# Altium PCB TB-S5D5_v1.2.PcbDoc (part 1 of 3)
Units mm, origin at the board's own origin, x right, y up, seen from the top; angles counter-clockwise.
Board outline 80 x 125 mm, 6 copper layers (Top L1, Sig L2, GND L3, Sig L4, Sig L5, Bot L6), stack 1.601 mm thick; 125 components, 261 nets, 672 pads, 551 vias.
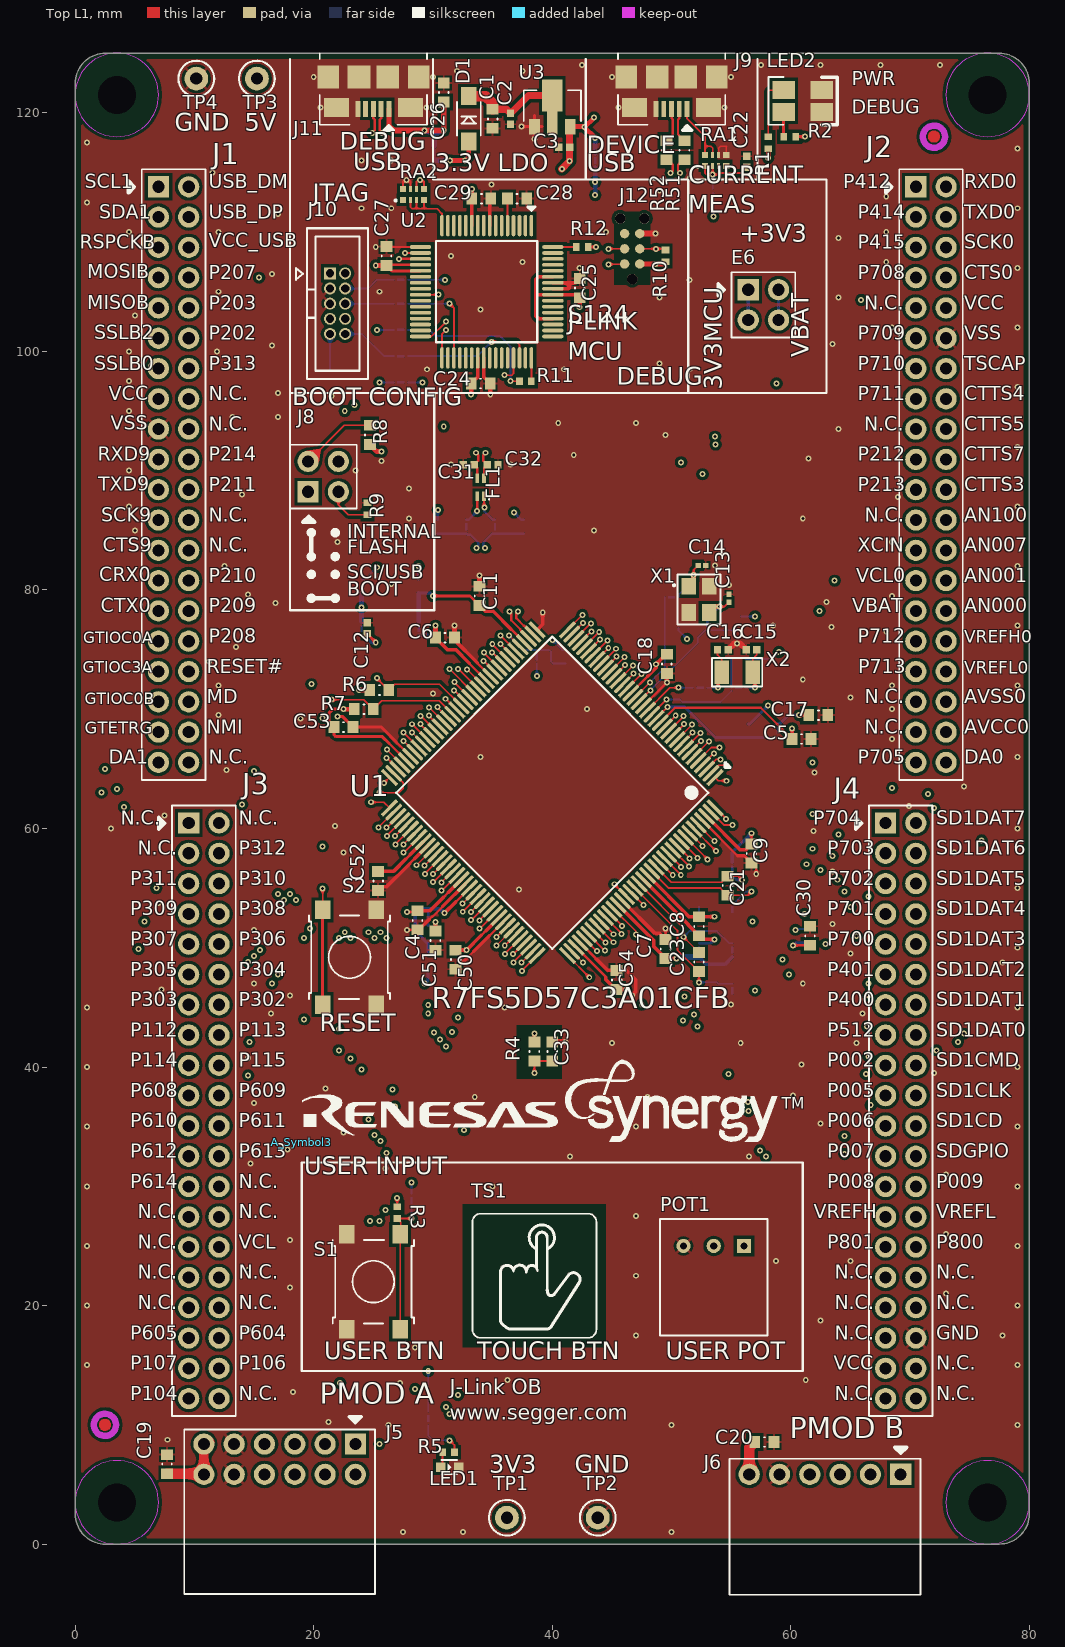
[diagram p0: Top L1 view]
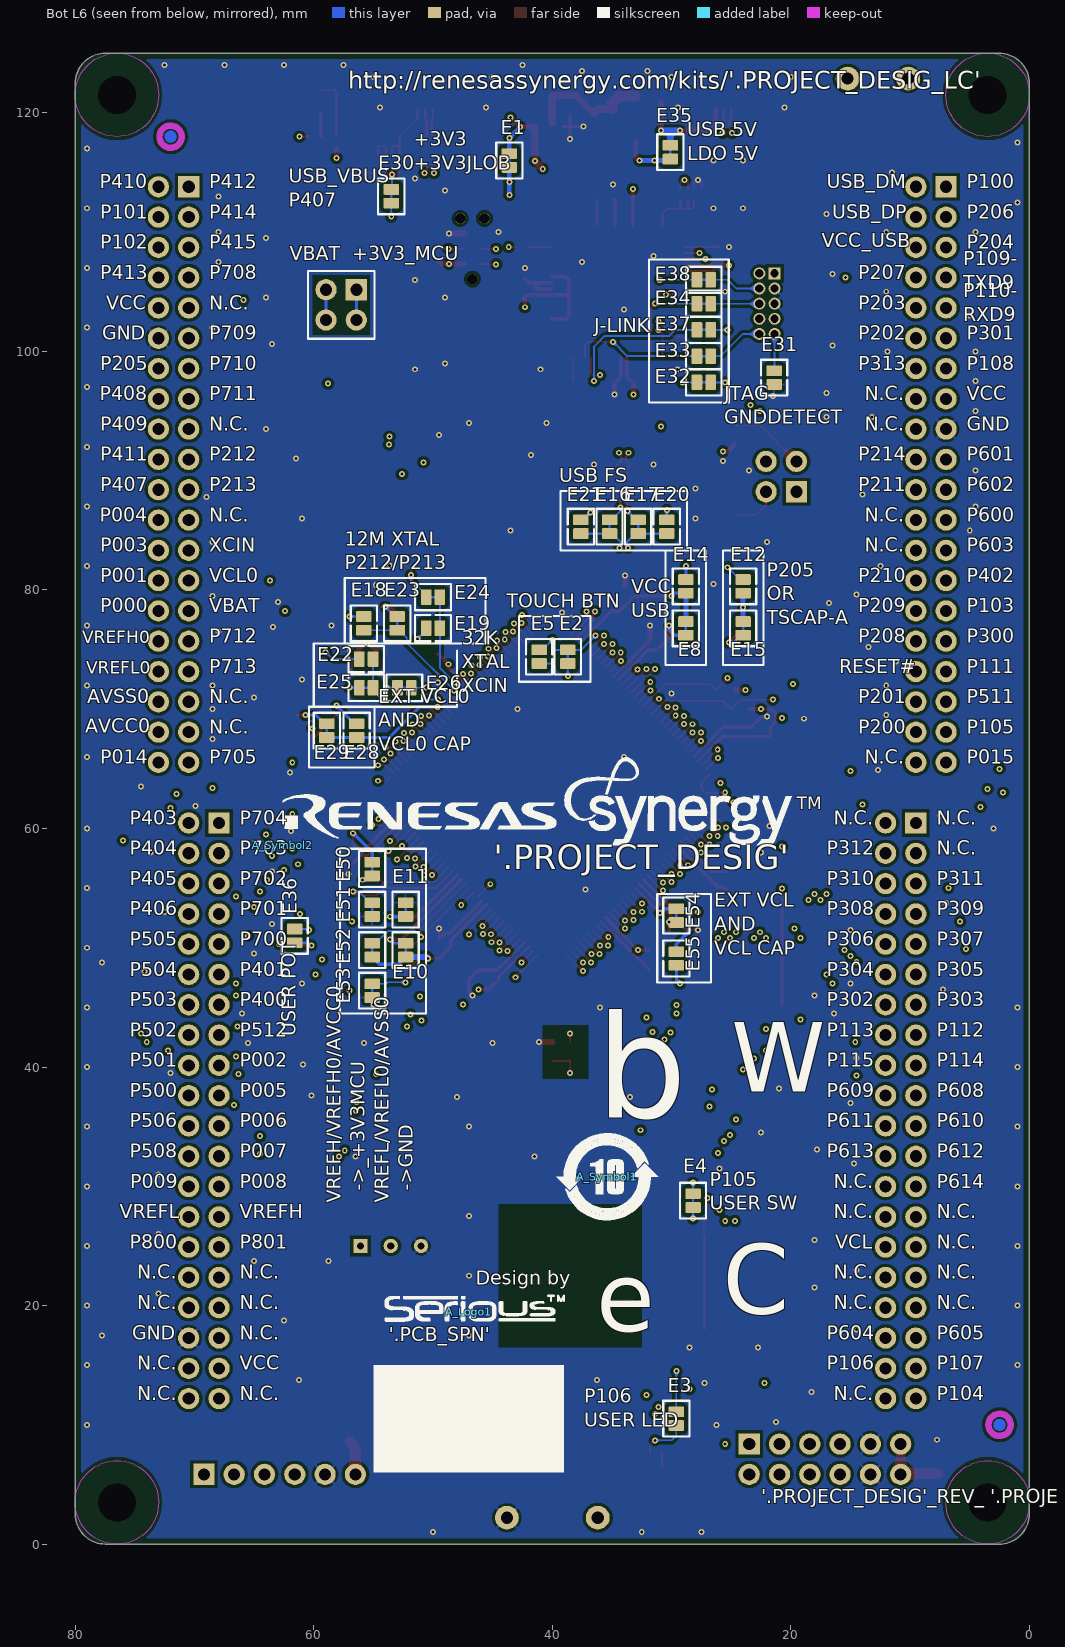
[diagram p1: Bot L6 view, seen from below]
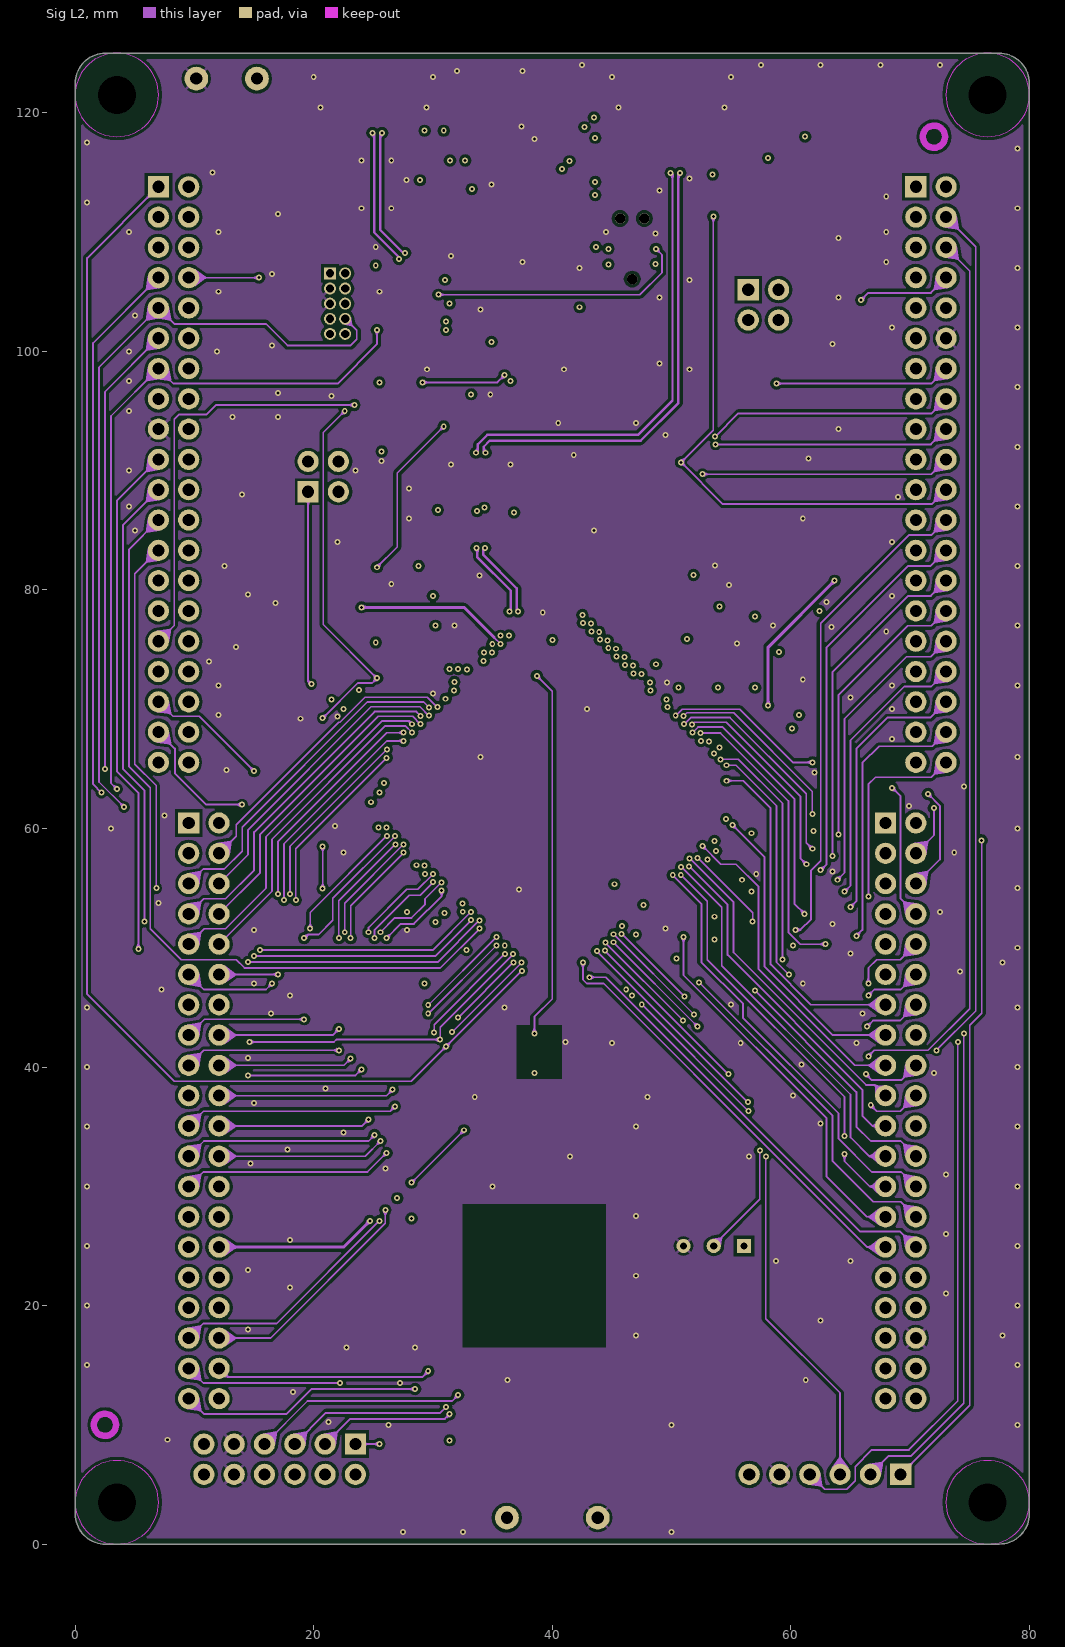
[diagram p2: Sig L2]
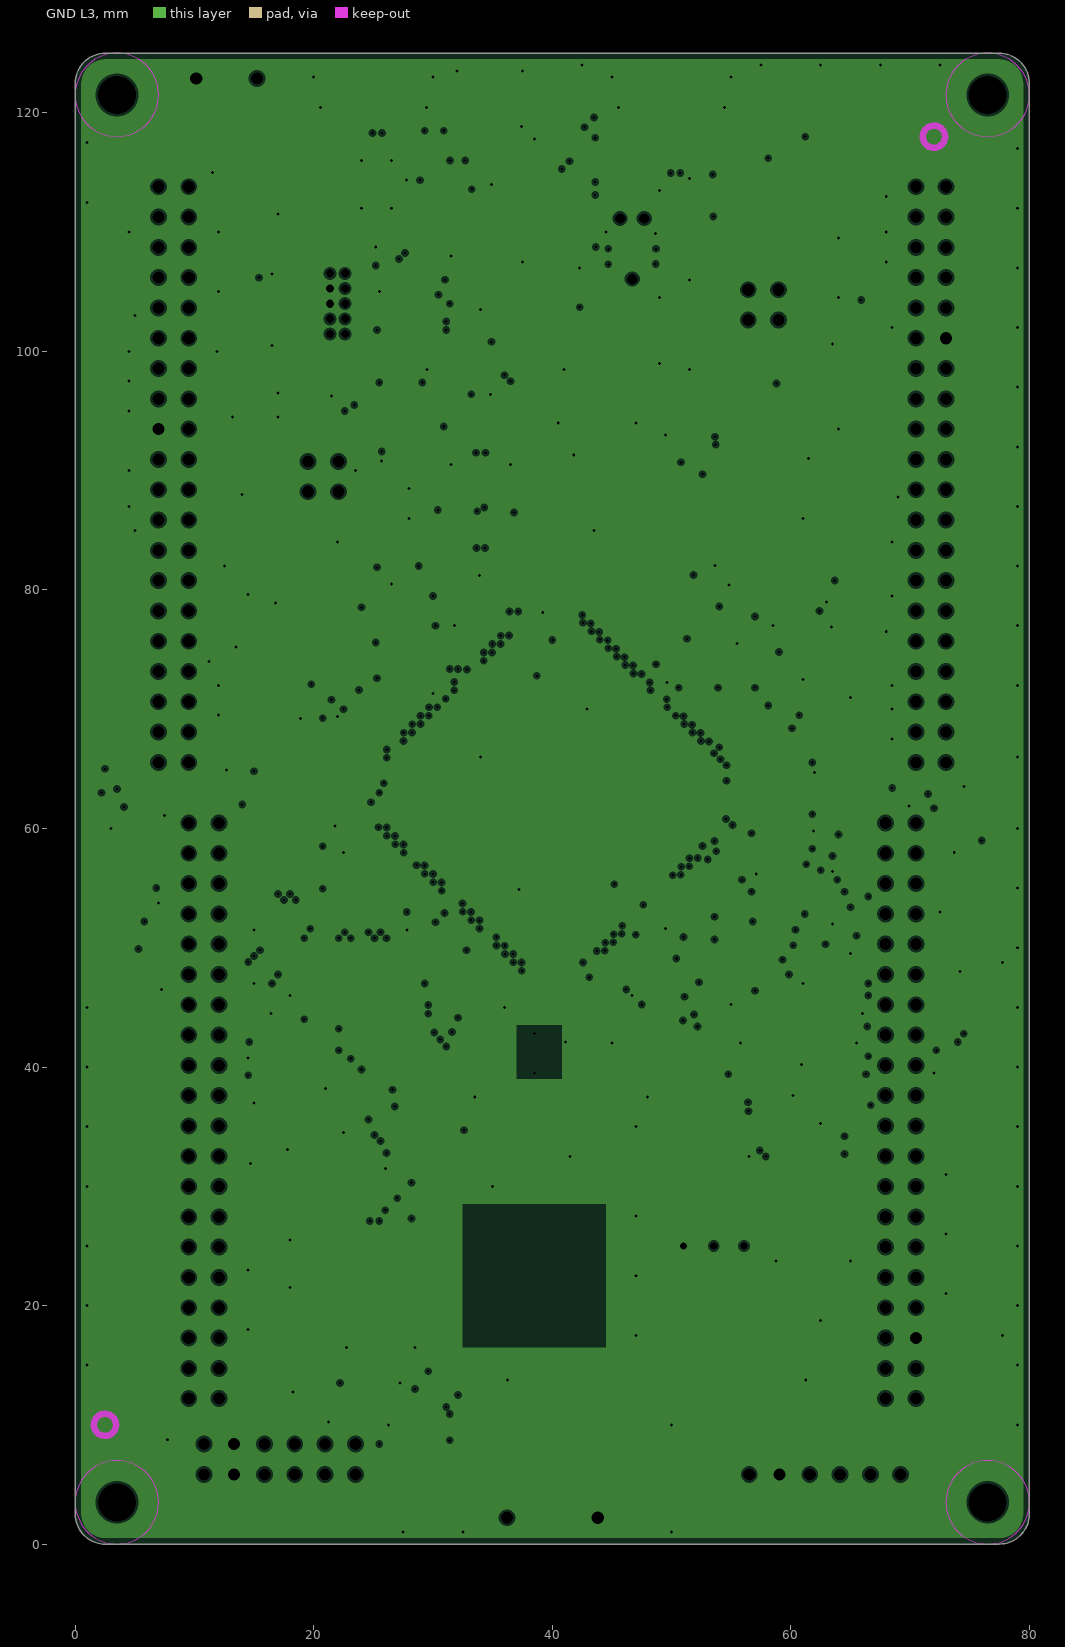
[diagram p3: GND L3, clearances drawn from the general rule]
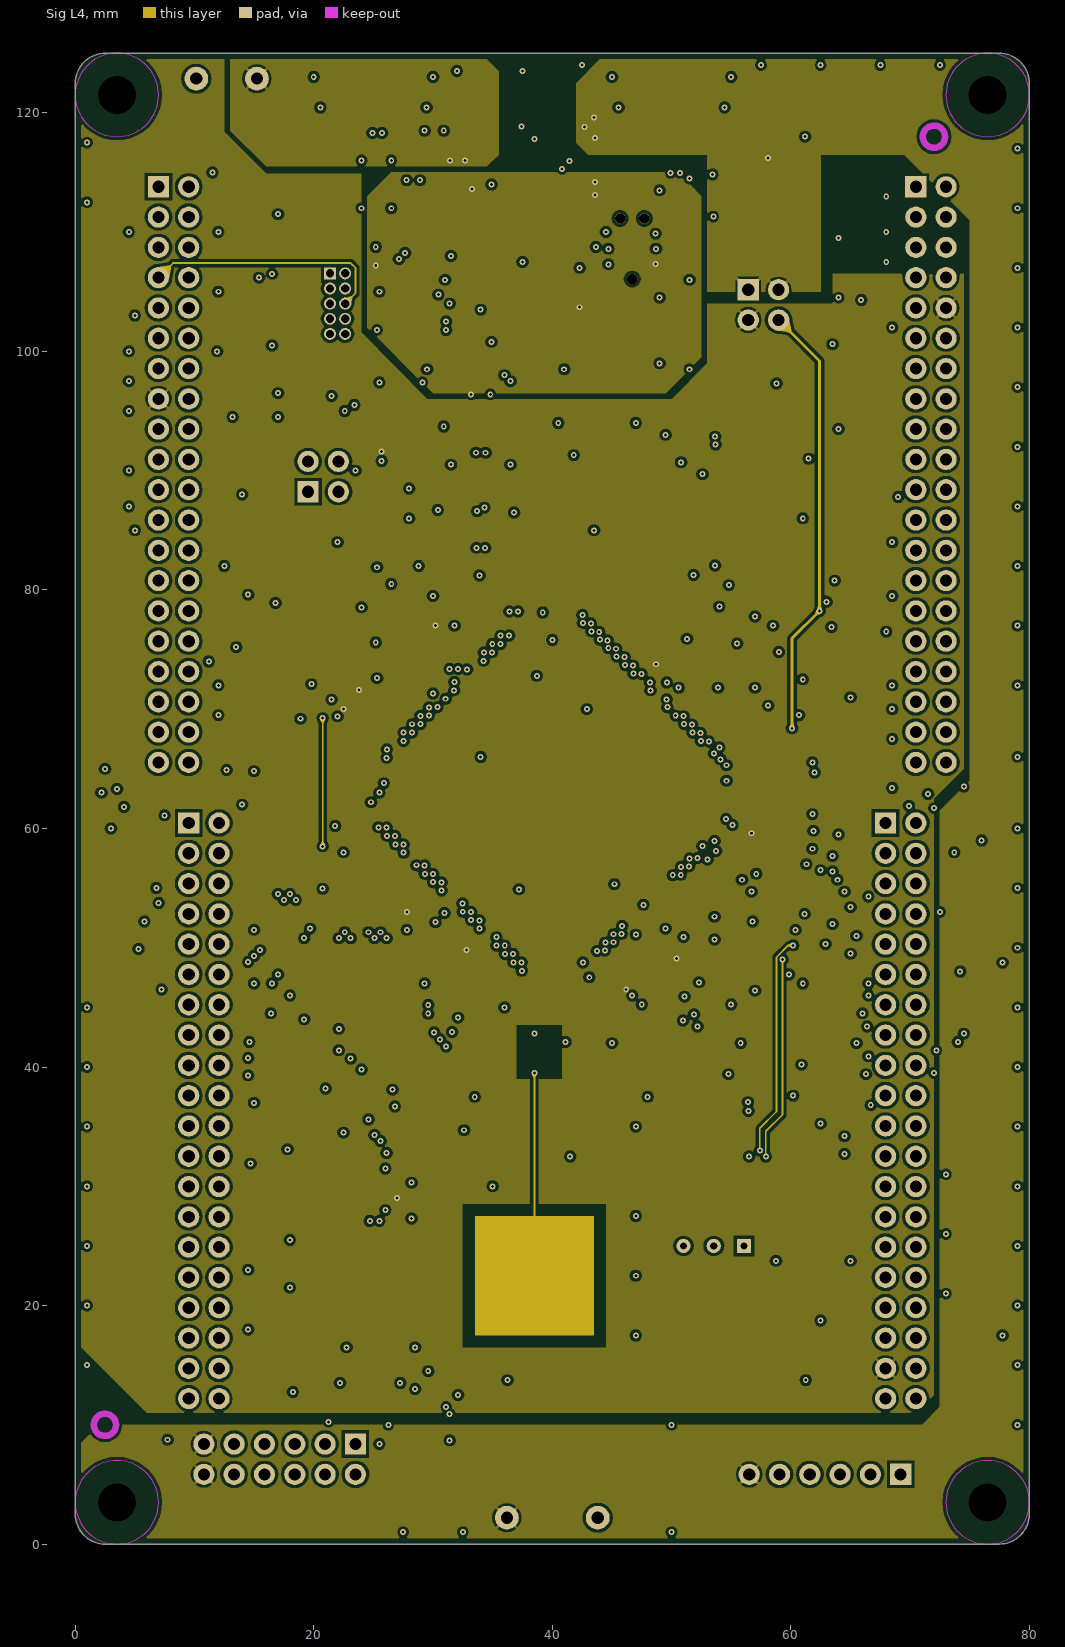
[diagram p4: Sig L4]
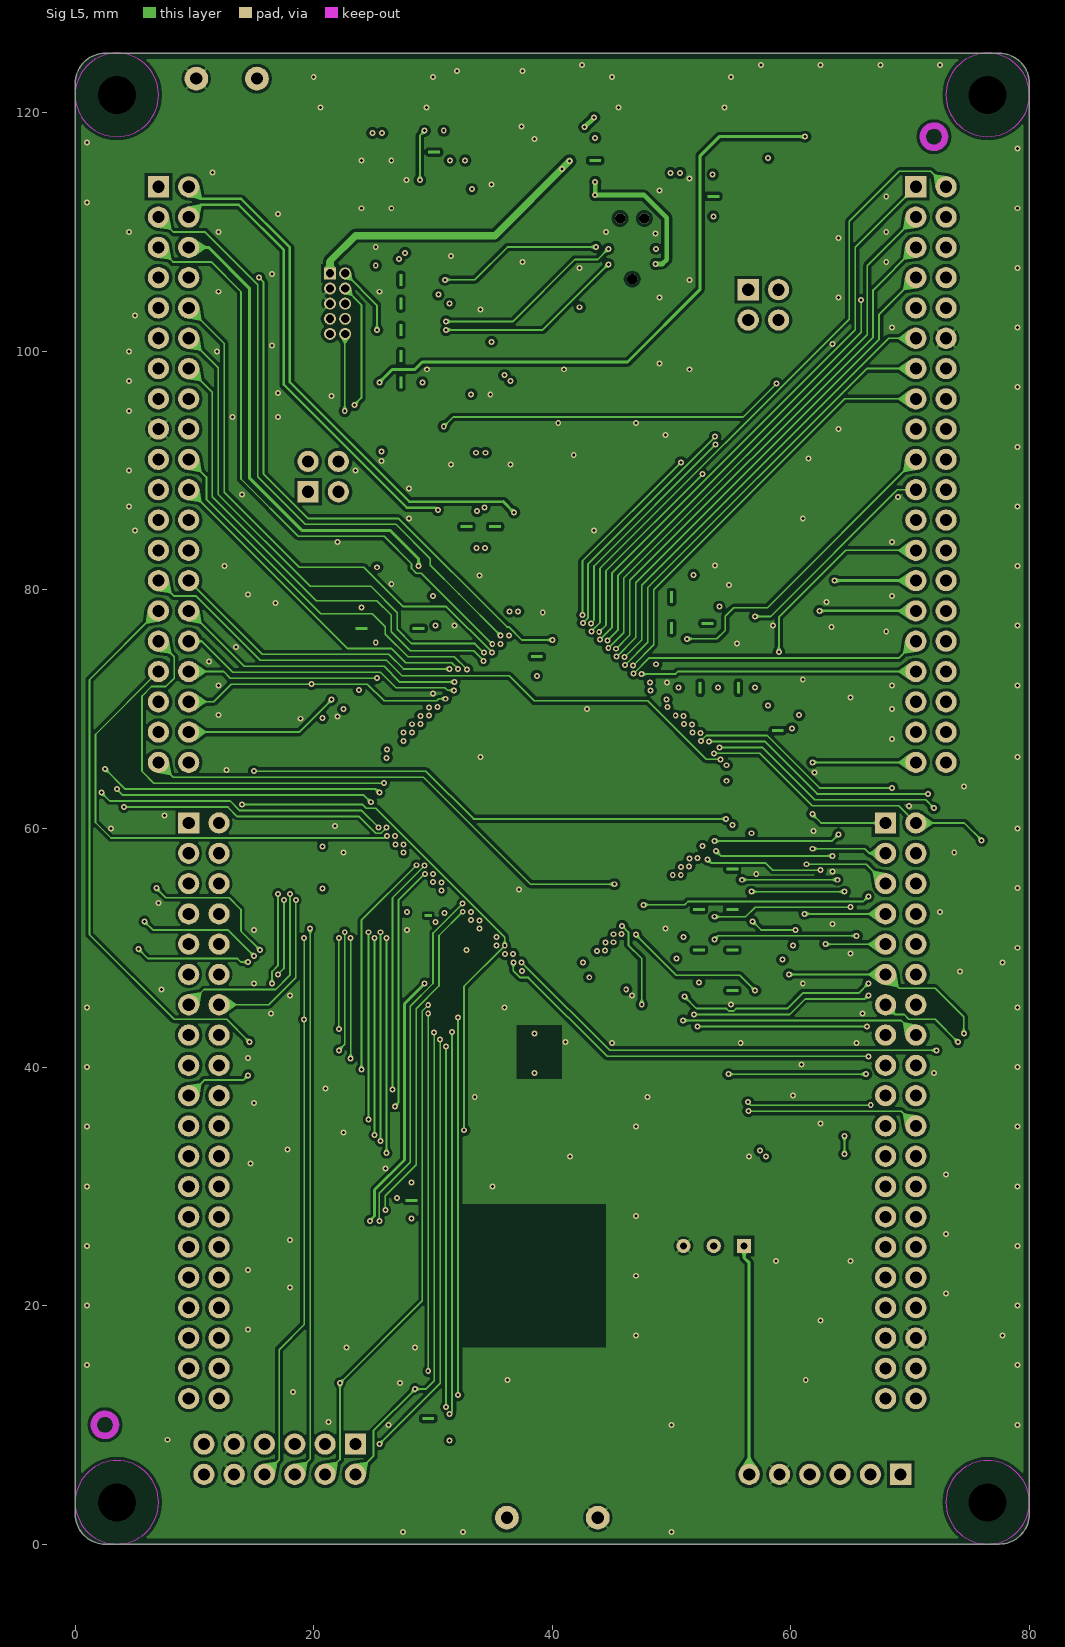
[diagram p5: Sig L5]

## Layer stack, top to bottom
Top Solder: solder mask 0.0254, Solder Resist, Dk 4
Top L1: signal copper 0.0521
Dielectric1-2: prepreg 0.1526, FR-4, Dk 3.9
Sig L2: signal copper 0.033
Dielectric2-3: core 0.3556, FR-4, Dk 4.5
GND L3: plane copper 0.033, net GND
Dielectric3-4: prepreg 0.3482, FR-4, Dk 4.2
Sig L4: signal copper 0.033
Dielectric4-5: core 0.3556, FR-4, Dk 4.5
Sig L5: signal copper 0.033
Dielectric5-6: prepreg 0.1526, FR-4, Dk 3.9
Bot L6: signal copper 0.0521
Bottom Solder: solder mask 0.0254, Solder Resist, Dk 4

## Board outline
0,2.525 0,122.46 cw(c2.54,122.46) 2.525,125 77.46,125 cw(c77.46,122.46) 80,122.475 80,2.54 cw(c77.46,2.54) 77.475,0 2.55,0 2.54,0 cw(c2.54,2.54)

## Design rules (kind name [scope] priority, off if disabled: settings)
AssemblyTestPointUsage [All] p1 off:
AssemblyTestpoint [All] p1 off: testpointundercomponent=TRUE minsize=1.016 maxsize=2.54 preferedsize=1.524 minholesize=0 maxholesize=1.016 preferedholesize=0.813 testpointgrid=0.025 usegrid=TRUE gridtolerance=0 allowsidetop=TRUE allowsidebottom=TRUE
Clearance Clearance_Outline [(OnLayer('PCB Outline')) vs (Not (OnLayer('Bottom Overlay') OR OnLayer('Top Overlay') OR OnLayer('Keep-Out Layer') OR OnLayer('Bottom Dimensions') OR OnLayer('Top Dimensions') OR OnLayer('External Bottom') OR OnLayer('External Top') OR OnLayer('Courtyard Bottom') OR OnLayer('Courtyard Top')))] p1: gap=0.5 ignorepadtopadclearanceinfootprint=FALSE except(0: Arc-Hole Track-Hole SMDPad-Hole THPad-Hole Via-Hole Fill-Hole Poly-Hole Region-Hole Text-Hole)
Clearance Clearance_Bottom [OnLayer('Bot L6') vs OnLayer('Bot L6')] p2: gap=0.15 ignorepadtopadclearanceinfootprint=FALSE except(0.25: Arc-Fill Arc-Poly Arc-Region Track-Fill Track-Poly Track-Region THPad-Fill THPad-Poly THPad-Region Via-Fill Via-Poly Via-Region Fill-Fill Fill-Poly Fill-Region Poly-Poly Poly-Region Region-Region; 0.3: SMDPad-Fill SMDPad-Poly SMDPad-Region)
Clearance [NOT(HasFootprint('RenesasSynergyLogo42x7') OR HasFootprint('RenesasSynergyLogo45x7') OR HasFootprint('_SERIOUSENGINEERING')) vs NOT(HasFootprint('RenesasSynergyLogo42x7') OR HasFootprint('RenesasSynergyLogo45x7') OR HasFootprint('_SERIOUSENGINEERING'))] p3: gap=0.15 ignorepadtopadclearanceinfootprint=FALSE except(0.25: Arc-Fill Arc-Poly Arc-Region Track-Fill Track-Poly Track-Region SMDPad-Fill SMDPad-Poly SMDPad-Region THPad-Fill THPad-Poly THPad-Region Via-Fill Via-Poly Via-Region Fill-Fill Fill-Poly Fill-Region Poly-Poly Poly-Region Region-Region)
ComponentClearance [NOT (HasFootprint('E_PadsSplit0805') OR HasFootprint('E_PadsTraceCut0805') OR HasFootprint('RenesasSynergyLogo45x7') OR HasFootprint('RenesasSynergyLogo42x7') OR HasFootprint('_SERIOUSENGINEERING')) vs NOT (HasFootprint('E_PadsSplit0805') OR HasFootprint('E_PadsTraceCut0805') OR HasFootprint('RenesasSynergyLogo45x7') OR HasFootprint('RenesasSynergyLogo42x7') OR HasFootprint('_SERIOUSENGINEERING'))] p1: gap=0.254 collisioncheckmode=3 verticalgap=0.254 showdistances=FALSE
DiffPairsRouting DiffPairsRouting90ohm [All] p1: maxlimit=0.75 minlimit=0.15 mostfreqgap=0.3 toplayer_maxgap=0.5 toplayer_prefgap=0.225 toplayer_minwidth=0.15 toplayer_maxwidth=0.25 toplayer_prefwidth=0.2 midlayer1_mingap=0.2 midlayer1_minwidth=0.15 midlayer1_maxwidth=0.25 midlayer1_prefwidth=0.2 midlayer2_mingap=0.2 midlayer2_minwidth=0.15 midlayer2_maxwidth=0.25 midlayer2_prefwidth=0.2 midlayer5_maxgap=0.25 midlayer5_prefgap=0.15 midlayer5_minwidth=0.15 midlayer5_maxwidth=0.25 midlayer5_prefwidth=0.2 bottomlayer_maxgap=0.5 bottomlayer_prefgap=0.225 bottomlayer_minwidth=0.15 bottomlayer_maxwidth=0.25 bottomlayer_prefwidth=0.2 maxuncoupledlength=10
FabricationTestPointUsage [All] p1 off: valid=0 allowmultiple=FALSE
FabricationTestpoint [All] p1 off: side=3 testpointundercomponent=TRUE minsize=1.016 maxsize=2.54 preferedsize=1.524 minholesize=0 maxholesize=1.016 preferedholesize=0.813 testpointgrid=0.025 allowsidetop=TRUE allowsidebottom=TRUE usegrid=TRUE gridtolerance=0
HoleSize [All] p1: absolutevalues=TRUE maxlimit=10 minlimit=0.15 maxpercent=80.000 minpercent=20.000
MinimumSolderMaskSliver [All] p1: minsoldermaskwidth=0
NetAntennae [NOT (IsVia)] p1: netantennaetolerance=0
PasteMaskExpansion [All] p1: expansion=-0.051
PlaneClearance [All] p1: clearance=0.2
PlaneConnect [All] p1: pad.planeconnectstyle=Relief pad.reliefexpansion=0.25 pad.reliefentries=4 pad.reliefconductorwidth=0.25 pad.reliefairgap=0.2 via.planeconnectstyle=Direct via.reliefexpansion=0.508 via.reliefentries=4 via.reliefconductorwidth=0.254 via.reliefairgap=0.254
PolygonConnect PolygonConnect_Small [(HasFootprint('CAPC0201-01') OR HasFootprint('CAPC0402-01') OR HasFootprint('FB_0402') OR HasFootprint('RESC0402-01'))] p1: connectstyle=Relief reliefconductorwidth=0.155 reliefentries=2 polygonreliefangle="90 Angle" airgapwidth=0.127
PolygonConnect PolygonConnect_0603 [(HasFootprint('CAPC0603-01') OR HasFootprint('FB_0603'))] p2: connectstyle=Relief reliefconductorwidth=0.203 reliefentries=4 polygonreliefangle="90 Angle" airgapwidth=0.152
PolygonConnect PolygonConnect_0805 [(HasFootprint('E_PadsSplit0805') OR HasFootprint('E_PadsTraceCut0805'))] p3: connectstyle=Relief reliefconductorwidth=0.203 reliefentries=4 polygonreliefangle="90 Angle" airgapwidth=0.25
PolygonConnect [All] p4: thpad.connectstyle=Relief thpad.reliefconductorwidth=0.25 thpad.reliefentries=4 thpad.polygonreliefangle="45 Angle" thpad.airgapwidth=0.2 smdpad.connectstyle=Direct smdpad.reliefconductorwidth=0.127 smdpad.reliefentries=4 smdpad.polygonreliefangle="90 Angle" smdpad.airgapwidth=0.127 via.connectstyle=Direct via.reliefconductorwidth=0.127 via.reliefentries=4 via.polygonreliefangle="90 Angle" via.airgapwidth=0.127
RoutingCorners [All] p1: cornerstyle=45-Degree minsetback=0.4 maxsetback=0.4
RoutingVias [All] p1: holewidth=0.203 width=0.406 viastyle="Through Hole" minholewidth=0.15 minwidth=0.3 maxholewidth=0.5 maxwidth=1
ShortCircuit [InNet('No Net') vs InNet('No Net')] p1: allowed=FALSE
SilkToSilkClearance [All] p1: silktosilkclearance=0
SilkToSolderMaskClearance [IsPad] p1: minsilkscreentomaskgap=0 clearancetoexposedcopper=TRUE
SolderMaskExpansion [All] p1: expansion=0.051 istentingtop=FALSE
UnConnectedPin [All] p1:
Width [All] p1: maxlimit=2 minlimit=0.15 preferedwidth=0.15 minimp=50.000000 maximp=50.000000 favimp=50.000000
14 further rules are at their usual default settings.

## Classes and differential pairs
differential pair USBF: +USBF_P -USBF_N
differential pair USBMCU: +USBMCU_P -USBMCU_N
differential pair USBPH: +USBPH_P -USBPH_N
differential pair JLOBU: +JLOBU_P -JLOBU_N
differential pair USB: +USB_P -USB_N
